# Altium PCB PA_8CH_CTRL.PcbDoc (part 9 of 11) (continued)
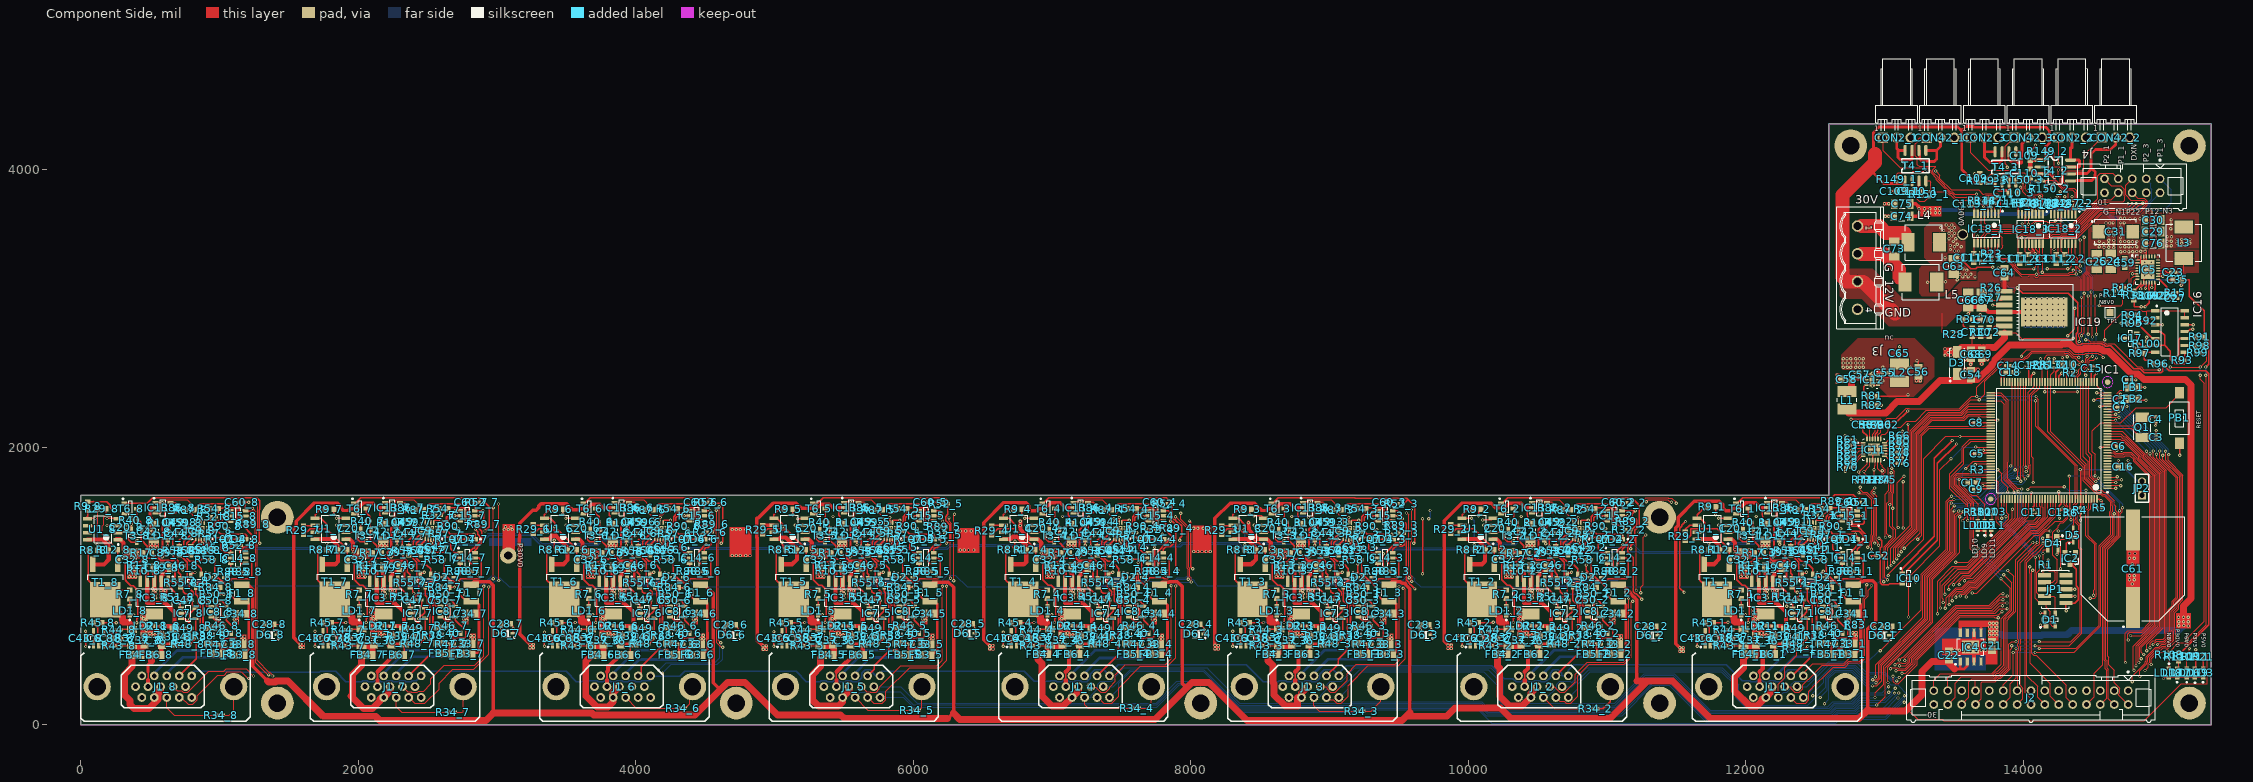
[diagram p0: Component Side view]
## Nets (pads, with @x,y where several pads share a name; then routed paths per layer and width w, separated by ;. In a path a pad name is that pad's centre, name@x,y a point inside that pad or via, vN(x,y) a via of type N, cw(c..) or ccw(c..) an arc to the next point about the centre after c; other vN are vias at no path point) (continued)
  Component Side w20: 12958,2538 C55.2@12983.28,2538
  Signal Layer 1 w10: v1(35,675) 35,1343 89,1397 356.65,1397 493.65,1534 944,1534 945,1535 ; v1(696,875) 696,841 775,762 v1(786,762) 795,771 859,771 ; v1(946.65,1332) 2412,1332 2469,1275 2543.26,1275 2600.19,1331.93 v1(2600.19,1333.14) 3382.88,1333.14 3402.55,1352.81 3421.45,1352.81 3441.12,1333.14 4034.86,1333.14 4088,1280 4200.59,1280 v1(4253.73,1333.14) 4260.43,1326.45 4499.39,1326.45 4506.08,1333.14 5039.88,1333.14 5046.55,1339.81 5598.76,1339.81 5627.24,1311.33 5739.44,1311.33 5774.58,1276.19 5867.19,1276.19 5916,1325 v1(5916,1333) ; v1(1210.63,1604.33) 1193.67,1604.33 1166,1632 1032.74,1632 1030.81,1630.07 1030.81,1607.55 1017.45,1594.19 991.19,1594.19 945,1548 945,1535 ; v1(1688.54,675.46) 1688.54,699.54 ; v1(2349.54,876.14) 2350,875.69 2350,790 ; v1(3342.09,667.91) 3342.09,714.24 3341,715.33 ; v1(4003.09,876.14) 4003.09,811.91 4043,772 ; v1(4087,768) 4047,768 4043,772 ; v1@4087,772 4298,772 4355.67,714.33 4427.54,714.33 4430.2,717 4960,717 4979.37,697.63 4995.63,697.63 ; v1(4250.09,1474.14) 4290.83,1474.14 4302.64,1462.33 4424.33,1462.33 4505.66,1543.66 v1(4534.66,1543.66) ; v1(4995.63,671.37) 4995.63,697.63 ; v1(5656.63,876.14) 5656.63,798.37 5694,761 v1(5744,761) ; v1(6649.17,668.83) 6649.17,730 ; v1(7310.17,876.14) 7310.17,789.83 7335,765 ; v1(7397,761) 7339,761 7335,765 ; v1@7397,765 7630,765 7665,730 7700.06,730 7715.72,714.33 7734.62,714.33 7750.29,730 8291.43,730 8302.72,718.72 ; v1(7557.17,1474.14) 7597.91,1474.14 7615.36,1456.69 7642.55,1456.69 7658.81,1472.95 7707.53,1472.95 7723.79,1456.69 v2(7736.22,1456.69) v2@7854.33,1456.69 ; v2(7854.33,1466.54) 8006.54,1466.54 8010,1470 v1(7990,1470) ; v1(8302.72,675.72) 8302.72,718.72 ; v1(8963.72,876.14) 8963.72,804.28 ; v1(9048,767) 9001,767 8963.72,804.28 ; v1@9048,768 v1(9252,768) 9289,768 9419,898 9921,898 ; v1(9210.72,1474.14) 9211.76,1475.19 9311.02,1475.19 ; v1(9523,1486) 9669,1486 v1(9670,1485) ; v1(9925.72,642.72) 9925.72,893.28 9921,898 ; v1(10617.26,876.14) 10617.26,797.74 10657,758 ; v1(11555,955) 11655,855 ; v1(11565,1465) 11640,1465 11645,1460 ; v1(11615.28,642.72) 11615.28,721.72 ; v1(12295,855) 12295,800 12333,762 v1@12395.86,762 ; v1(12397,762) v1@12395.86,762 ; 12549.21,1564.96 12696.85,1564.96 ; v1(12609,766) 12399.86,766 v1@12395.86,762 ; 12618.11,1456.69 12677.17,1456.69 12706.69,1486.22 ; v1(12758,2203) 13107,2203 v1(13166,2262) 13169.29,2258.71 v2(13169.29,2165.35) ; v1(12765,1635) 12770,1635 v1@12771.54,1633.46 ; v1(12987,2577) 12988,2576 v1(12988,2480) ; 859,771 1033,771 1059,797 1591.09,797 1688.54,699.54 ; 859,771 859,973.74 838.19,994.55 838.19,1034.19 875,1071 875,1225 945,1295 945,1535 ; 1688.54,699.54 1703,714 2086.14,714 2087.09,714.95 2195.95,714.95 2247,766 2664,766 2715.67,714.33 3020.57,714.33 3024.06,717.81 3042.95,717.81 3046.43,714.33 3103.25,714.33 3106.73,717.81 3125.63,717.81 3129.11,714.33 3340,714.33 3341,715.33 ; 3341,715.33 3572.54,715.33 3574.2,717 3699.97,717 3701.64,715.33 3821.33,715.33 3878,772 4043,772 ; 4995.63,697.63 5014,716 5206.51,716 5207.18,715.33 5226.08,715.33 5226.75,716 5354.51,716 5355.18,715.33 5494.33,715.33 5538,759 5978,759 6007,730 6046.51,730 6062.18,714.33 6081.08,714.33 6096.75,730 6649.17,730 ; 6649.17,730 6846.06,730 6860.72,715.33 6879.62,715.33 6894.29,730 6994.06,730 7008.72,715.33 7027.62,715.33 7036.62,724.33 7063.62,724.33 7069.65,730.35 7073.67,726.33 7135.33,726.33 7174,765 7335,765 ; 8302.72,718.72 8455,871 8897,871 8963.72,804.28 ; 9921,898 10398,898 10538,758 10657,758 ; 10657,758 v1(10705,758) 10956,758 11007,809 11528,809 11615.28,721.72 ; 11615.28,721.72 11615.28,735 11701.43,735 11711.43,725 11854.74,725 11862.55,717.19 11881.45,717.19 11889.26,725 11999.06,725 12008.72,715.33 12027.62,715.33 12037.29,725 12044.06,725 12044.72,724.33 12358.19,724.33 v1@12395.86,762
  Solder Side w10: v1@2349.54,874.14 v1(2349.54,876.14) ; v1(2596.54,1474.14) 2596.54,1336.79 v1(2600.19,1333.14) ; v1(4250.09,1474.14) 4250.09,1336.79 v1(4253.73,1333.14) ; v1@5656.63,874.14 v1(5656.63,876.14) ; 5903.63,1336.79 v1(5903.63,1474.14) ; v1(9210.72,1474.14) 9210.72,1336.79 v1(9214.36,1333.14) ; v1(10864.26,1474.14) 10868,1470.4 v1(10868,1337) ; v1(12295,855) v1@12295,858.97 ; v1(12557.17,1474.14) 12557.17,1336.79 v1(12560.82,1333.14)
  other v1: 10923,762 6178,1597 14655,2290 13169,2379 13186,2577 12703,2578 12730,2578 12756,2578 12793,2578 12820,2578 12846,2578 12703,2608 12730,2608 12756,2608 12793,2608 12820,2608 12846,2608 12703,2639 12729,2639 12756,2639 12793,2639 12819,2639 12846,2639
P5V0: C22.2 F1_1.1 F1_2.1 F1_3.1 F1_4.1 F1_5.1 F1_6.1 F1_7.1 F1_8.1 IC4.1 IC4.2 R21.1 | length 23922.9
  Component Side w6: 13151,99 13178.56,99 13238.19,39.37 13415.35,39.37 13425.2,29.53 14872.05,29.53 15137.8,295.28 15324.8,295.28 15324.8,511.81 15323.62,510.63 R21.1@15295.28,510.63 ; 13595,425.71 IC4.2@13595,456.67
  Component Side w20: 13503.94,403.54 13543.31,403.54 ; IC4.1@13545,456.67 13545,405.24 13543.31,403.54 ; 13595,425.71 13572.83,403.54 13543.31,403.54
  Component Side w25: F1_8.1@1160,1009.06 1207.94,1009.06 1239.5,977.5 1239.5,422.65 1347.15,315 ; F1_7.1@2813.54,1010.2 2833.66,1030.31 2947.56,1030.31 2971.31,1006.56 2971.31,86 ; F1_6.1@4467.09,1010.2 4494.8,1010.2 4557,948 4557,304 4608.53,252.47 ; F1_5.1@6120.63,1010.2 6139.74,1029.31 6252.82,1029.31 6291,991.13 6291,88 6289,86 6248,45 ; F1_4.1@7774.17,1010.2 7792.98,1029 7842.13,1029 7845.44,1032.31 7903.69,1032.31 7940,996 7940,297 7969.76,267.24 ; F1_3.1@9427.72,1010.2 9447.83,1030.31 9511.2,1030.31 9515.69,1025.82 9522.2,1019.31 9544.56,1019.31 9545.69,1018.18 9545.69,1014.82 9579,981.51 9579,90 ; F1_2.1@11081.26,1010.2 11109.44,1010.2 11165.69,953.95 11165.69,948.82 11192.82,921.69 11196.18,921.69 11215.31,902.56 11215.31,877.44 11215,877.13 11215,317 ; F1_1.1@12810,1011 12829.33,1030.33 12840.52,1030.33 12849.5,1039.31 12913.56,1039.31 12936.31,1016.56 12936.31,743.08 12923.54,730.31 12917.44,730.31 12880.31,693.18 12880.31,108.69 12880.31,91.31
  Component Side w50: 1347.15,315 1352.96,309.19 1402.73,309.19 1408.54,315 1495,315 1747.89,62.11 2125.67,62.11 2154.81,32.97 2921.97,32.97 2971.31,82.31 ; 2971.31,86 3683.23,86 3697.28,71.95 4428.01,71.95 4608.53,252.47 4662.65,306.59 ; 4664.41,306.59 4786.17,306.59 5020.81,71.95 5475.95,71.95 5502.9,45 6248,45 ; 6289,86 6335,40 7742.51,40 7969.76,267.24 8009.1,306.59 8132.63,306.59 8406.25,32.97 9521.97,32.97 9551,62 ; 9579,90 9551,62 ; 11215,317 11292,317 ; 13503.94,403.54 13450.81,456.67 13341.67,456.67 13269,384 13269,217 13151,99 12890,99 12880.31,108.69 12879.81,109.19 12815.62,45 11745,45 11473,317 11292,317 ; 9551,62 9844,62 9905.14,123.14 10230.73,123.14 10308.88,45 11020,45 11292,317
P5V0MP_1: C34_1.2 F1_1.2 FB3_1.1 R58_1.1 | length 848.3
  Component Side w10: R58_1.1@12578.68,1190.14 12580.81,1188.01 12580.81,1097.55 12580.74,1097.48 12593.85,1084.37 12593.85,1077.88 12633.22,1038.5 12639.76,1038.5 12688.17,990.09 12688.17,941.14 F1_1.2@12738.37,890.94
  Component Side w20: F1_1.2@12738.37,890.94 12806.17,890.94 12826,871.12 12826,550 12786,510 FB3_1.1@12780.43,510
P5V0MP_2: C34_2.2 F1_2.2 FB3_2.1 R58_2.1 | length 813.7
  Component Side w10: R58_2.1@10885.76,1190.14 10885.76,1099.55 10900.94,1084.37 10900.94,1077.88 10940.31,1038.5 10946.76,1038.5 10995.26,990 10995.26,941.14 F1_2.2@11045.46,890.94
  Component Side w20: F1_2.2@11045.46,890.94 11113.26,890.94 11136,868.2 11136,550.5 FB3_2.1@11117,531.5
P5V0MP_3: C34_3.2 F1_3.2 FB3_3.1 R58_3.1 | length 832.6
  Component Side w10: R58_3.1@9232.22,1190.14 9232.22,1099.55 9247.39,1084.37 9247.39,1077.88 9286.77,1038.5 9288.76,1038.5 9341.72,985.54 9341.72,941.14 F1_3.2@9391.91,890.94
  Component Side w20: F1_3.2@9391.91,890.94 9459.72,890.94 9481,869.66 9481,530.57 FB3_3.1@9460.43,510
P5V0MP_4: C34_4.2 F1_4.2 FB3_4.1 R58_4.1 | length 927.7
  Component Side w10: R58_4.1@7578.68,1190.14 7578.68,1186.68 7584.81,1192.81 7631.45,1192.81 7644.81,1179.45 7644.81,1099.78 7622.78,1077.75 7622.78,1048.95 7688.17,983.55 7688.17,941.14 F1_4.2@7738.37,890.94
  Component Side w20: F1_4.2@7738.37,890.94 7806.17,890.94 7833,864.12 7833,515 7828,510 FB3_4.1@7785.43,510
P5V0MP_5: C34_5.2 F1_5.2 FB3_5.1 R58_5.1 | length 856.5
  Component Side w10: R58_5.1@5925.13,1190.14 5925.13,1087.39 5974.02,1038.5 5985.76,1038.5 6034.63,989.63 6034.63,941.14 F1_5.2@6084.83,890.94
  Component Side w20: F1_5.2@6084.83,890.94 6152.63,890.94 6173,870.57 6173,540 6138,505 FB3_5.1@6130.43,505
P5V0MP_6: C34_6.2 F1_6.2 FB3_6.1 R58_6.1 | length 848.1
  Component Side w10: R58_6.1@4271.59,1190.14 4271.59,1087.39 4320.48,1038.5 4331.76,1038.5 4381.09,989.17 4381.09,941.14 F1_6.2@4431.28,890.94
  Component Side w20: F1_6.2@4431.28,890.94 4499.09,890.94 4515,875.03 4515,666.63 4516,665.63 4516,633.33 4516.81,632.52 4516.81,609.48 4516.16,608.83 4516.16,544.83 4515,543.67 4515,539.57 FB3_6.1@4480.43,505
P5V0MP_7: C34_7.2 F1_7.2 FB3_7.1 R58_7.1 | length 877.5
  Component Side w10: R58_7.1@2618.05,1190.14 2618.05,1087.39 2666.94,1038.5 2679.76,1038.5 2727.54,990.72 2727.54,941.14 F1_7.2@2777.74,890.94
  Component Side w20: F1_7.2@2777.74,890.94 2845.54,890.94 2870,866.49 2870,520 2835.43,520 FB3_7.1@2820.43,505
P5V0MP_8: C34_8.2 F1_8.2 FB3_8.1 R58_8.1 | length 857.2
  Component Side w10: R58_8.1@964.5,1189 964.5,1086.25 1013.39,1037.36 1015.75,1037.36 1054.88,998.23 1054.88,969.29 1074,950.17 1074,940 F1_8.2@1124.2,889.8
  Component Side w20: F1_8.2@1124.2,889.8 1192,889.8 1211,870.8 1211,545.62 1182,516.62 FB3_8.1@1182,487
P6V0_CH_1: C36_1.2 FB6_1.2 R39_1.1 R48_1.2 | length 247.1
  Component Side w10: R39_1.1@12289.76,579.96 12292.72,582.91 R48_1.2@12365.75,582.91
  Component Side w12: C36_1.2@12201.17,571.71 12210.43,562.45 FB6_1.2@12210.43,510
  Component Side w30: C36_1.2@12185.43,579.96 R39_1.1@12289.76,579.96
P6V0_CH_2: C36_2.2 FB6_2.2 R39_2.1 R48_2.2 | length 252.5
  Component Side w10: R39_2.1@10596.85,579.96 10599.8,582.91 R48_2.2@10672.83,582.91
  Component Side w12: C36_2.2@10508.26,571.71 10510.43,569.54 FB6_2.2@10510.43,510
  Component Side w30: C36_2.2@10486.61,574.06 10492.52,579.96 R39_2.1@10596.85,579.96
P6V0_CH_3: C36_3.2 FB6_3.2 R39_3.1 R48_3.2 | length 258.3
  Component Side w10: R39_3.1@8943.31,579.96 8946.26,582.91 R48_3.2@9019.29,582.91
  Component Side w12: C36_3.2@8846.46,579.96 8838.98,579.96 8855.43,563.5 FB6_3.2@8855.43,510
  Component Side w30: C36_3.2@8846.46,579.96 R39_3.1@8943.31,579.96
P6V0_CH_4: C36_4.2 FB6_4.2 R39_4.1 R48_4.2 | length 254
  Component Side w10: R39_4.1@7289.76,579.96 7292.72,582.91 R48_4.2@7365.75,582.91
  Component Side w12: FB6_4.2@7195.43,510 7195.43,565.97 C36_4.2@7201.17,571.71
  Component Side w30: C36_4.2@7179.53,574.06 7185.43,579.96 R39_4.1@7289.76,579.96
P6V0_CH_5: C36_5.2 FB6_5.2 R39_5.1 R48_5.2 | length 241.8
  Component Side w10: R39_5.1@5636.22,579.96 5639.17,582.91 R48_5.2@5712.2,582.91
  Component Side w30: C36_5.2@5550.43,579.96 R39_5.1@5636.22,579.96 5636.22,514.21 FB6_5.2@5645.43,505
P6V0_CH_6: C36_6.2 FB6_6.2 R39_6.1 R48_6.2 | length 274.1
  Component Side w10: R39_6.1@3982.68,579.96 3985.63,582.91 R48_6.2@4058.66,582.91
  Component Side w12: FB6_6.2@3960.43,505 3960.43,557.72 R39_6.1@3982.68,579.96
  Component Side w30: C36_6.2@3872.44,574.06 3878.35,579.96 R39_6.1@3982.68,579.96
P6V0_CH_7: C36_7.2 FB6_7.2 R39_7.1 R48_7.2 | length 265.4
  Component Side w10: R39_7.1@2329.13,579.96 2332.09,582.91 R48_7.2@2405.12,582.91
  Component Side w12: R39_7.1@2329.13,579.96 2330.43,578.66 FB6_7.2@2330.43,505
  Component Side w30: C36_7.2@2218.9,574.06 2224.8,579.96 R39_7.1@2329.13,579.96
P6V0_CH_8: C36_8.2 FB6_8.2 R39_8.1 R48_8.2 | length 258.2
  Component Side w10: R39_8.1@675.59,578.82 678.54,581.77 R48_8.2@751.57,581.77
  Component Side w30: C36_8.2@565.35,572.91 571.26,578.82 R39_8.1@675.59,578.82 ; FB6_8.2@580.43,505 580.43,564 C36_8.2@587,570.57
P6V5: C19_1.2 C19_2.2 C19_3.2 C19_4.2 C19_5.2 C19_6.2 C19_7.2 C19_8.2 C68.2 C69.2 C71.2 C72.2 D3.2 IC3_1.2 IC3_2.2 IC3_3.2 IC3_4.2 IC3_5.2 IC3_6.2 IC3_7.2 IC3_8.2 IC19.7 R30.2 R98.2 R109.1 | length 5643
  Component Side w6: C68.2@13632.87,2721.46 C71.2@13632.87,2798.03 13633.86,2797.05 R30.2@13693.9,2797.05 13750.98,2797.05 C72.2@13752.95,2799.02 ; IC19.7@13863.19,2825.2 13946.46,2825.2 13996.07,2775.59 14005.91,2785.43 14311.13,2785.43 14312.25,2784.31 14359.09,2784.31 v2(14360.21,2785.43) ; v2(14448.79,2775.59) 14468.5,2775.59 14481.8,2762.29 14570.48,2762.29 14577.99,2754.78 14588.42,2754.78 14600.43,2742.77 14602.52,2742.77 14607.43,2747.68 14653.89,2747.68 14822.37,2579.2 14848.31,2579.2 14868.46,2559.06 v2(14980.31,2559.06) ; v2(15059.02,2578.73) v2(15275.59,2578.73) 15320.65,2623.8 15320.65,2714.07 R98.2@15301.91,2732.8 ; v2(15177.17,610.24) 15177.17,620.08 15305.12,748.03 15305.12,2460.63 15275.59,2490.16 v2(15275.59,2519.69) ; R109.1@15178.35,513.84 15196.85,532.34 v2(15196.85,551.18)
  Component Side w30: IC3_8.2@579.92,1034.53 579.92,1068.78 611.14,1100 615.4,1100 644.09,1128.69 C19_8.2@644.09,1132.95 ; IC3_7.2@2233.46,1035.67 2233.46,1069.92 2264.69,1101.14 2268.95,1101.14 2297.64,1129.83 C19_7.2@2297.64,1134.09 ; IC3_6.2@3887.01,1035.67 3887.01,1069.92 3918.23,1101.14 3922.49,1101.14 3951.18,1129.83 C19_6.2@3951.18,1134.09 ; IC3_5.2@5540.55,1035.67 5540.55,1069.92 5571.77,1101.14 5576.03,1101.14 5604.72,1129.83 C19_5.2@5604.72,1134.09 ; IC3_4.2@7194.09,1035.67 7194.09,1069.92 7225.31,1101.14 7229.57,1101.14 7258.27,1129.83 C19_4.2@7258.27,1134.09 ; IC3_3.2@8847.64,1035.67 8847.64,1069.92 8878.86,1101.14 8883.12,1101.14 8911.81,1129.83 C19_3.2@8911.81,1134.09 ; IC3_2.2@10501.18,1035.67 10501.18,1069.92 10532.4,1101.14 10536.66,1101.14 10565.35,1129.83 C19_2.2@10565.35,1134.09 ; IC3_1.2@12194.09,1035.67 12194.09,1069.92 12225.31,1101.14 12229.57,1101.14 12258.27,1129.83 C19_1.2@12258.27,1134.09
  Component Side w50: v2(13458.66,2684.06) D3.2@13520.67,2684.06 ; D3.2@13538.39,2684.06 D3.2@13520.67,2684.06 ; C69.2@13714.07,2719.98 C69.2@13700.79,2706.69 13688.98,2718.5 13555.12,2718.5 D3.2@13520.67,2684.06 ; 13733.76,2719.98 13794.78,2719.98 13863.19,2788.39 IC19.7@13863.19,2825.2
  Signal Layer 1 w6: v2(15177.17,610.24) 15177.17,570.87 v2(15196.85,551.18)
  Solder Side w6: v2(14360.21,2785.43) 14400.71,2825.93 14427.91,2825.93 14448.79,2805.05 v2(14448.79,2775.59) ; v2(14980.31,2559.06) 15059.06,2559.06 ; 15059.02,2559.09 v2(15059.02,2578.73) ; v2(15275.59,2519.69) v2(15275.59,2578.73)
  other v1: 608,917 579,918 2261.54,918.14 3915.09,918.14 5568.63,918.14 7222.17,918.14 8875.72,918.14 10529.26,918.14 12222.17,918.14 2232.54,919.14 3886.09,919.14 5539.63,919.14 7193.17,919.14 8846.72,919.14 10500.26,919.14 12193.17,919.14 578,942 608,942 2231.54,943.14 2261.54,943.14 3885.09,943.14 3915.09,943.14 5538.63,943.14 5568.63,943.14 7192.17,943.14 7222.17,943.14 8845.72,943.14 8875.72,943.14 10499.26,943.14 10529.26,943.14 12192.17,943.14 12222.17,943.14 578,966 608,966 2231.54,967.14 2261.54,967.14 3885.09,967.14 3915.09,967.14 5538.63,967.14 5568.63,967.14 7192.17,967.14 7222.17,967.14 8845.72,967.14 8875.72,967.14 10499.26,967.14 10529.26,967.14 12192.17,967.14 12222.17,967.14
  other v2: 13436.02,2664.37 13478.35,2665.35 13479.33,2707.68 13435.04,2708.66
P12V0: C24.2 C25.2 C59.1 C64.2 C66.2 C67.2 C109_1.2 C109_2.2 C109_3.2 C110_1.2 C110_2.2 C110_3.2 IC5.3 IC5.4 IC19.1 J3.3 R26.2 R28.2 R149_1.2 R149_2.2 R149_3.2 R150_1.2 R150_2.2 R150_3.2 T4_1.1 T4_1.3 T4_2.1 T4_2.3 T4_3.1 T4_3.3 | length 5611.8
  Component Side w6: T4_1.1@13144.69,3917.32 T4_1.1@13147.64,3920.28 ; C110_1.2@13207.68,3847.44 13205.71,3845.47 13205.71,3819.29 13250.39,3774.61 13290.35,3774.61 13321.85,3806.1 R150_1.2@13321.85,3806.3 ; 13906.5,3955.71 13915.35,3964.57 13975.39,3964.57 13992.32,3947.64 R150_3.2@13994.09,3947.64
  Component Side w9: 13416.34,2963.58 13416.34,2828.66 13447.56,2797.44 R28.2@13498.03,2797.44
  Component Side w20: 12919.29,4042.32 12919.29,3976.38 12994.09,3901.57 13128.94,3901.57 13144.69,3917.32 C109_1.2@13144.69,3846.46 13145.67,3847.44 C110_1.2@13207.68,3847.44 13247.64,3887.4 T4_1.3@13247.64,3920.28 ; 12919.29,4113.19 12919.29,4269.69 12957.68,4308.07 13530,4308.07 13555.97,4282.1 ; R149_3.2@13737.2,3902.76 R149_3.2@13741.93,3907.48 ; 13906.5,3955.71 13896.26,3945.47 T4_3.3@13896.26,3910.43 13898.62,3908.07 C110_3.2@13898.62,3833.66 13881.89,3850.39 13822.83,3850.39 13796.26,3876.97 T4_3.1@13796.26,3910.43 13793.31,3907.48 R149_3.2@13741.93,3907.48 ; T4_2.1@14135,4073.82 14160.43,4073.82 14160.43,4166.34 14188.85,4194.75 14188.85,4280.64 14162.4,4307.09 13645.67,4307.09 13640.02,4312.74 13586.61,4312.74 13555.97,4282.1 ; R150_2.2@14201.57,3876.97 14224.61,3900 v2(14225,3900) ; 13555.97,4282.1 13555.97,4003.08 13651.57,3907.48 R149_3.2@13741.93,3907.48
  Component Side w30: IC19.1@13863.19,3125.2 13864.17,3126.18 C64.2@13864.17,3222.44 ; T4_2.1@14120,4070 14051.5,4070 C109_2.2@14050,4068.5 C110_2.2@14050,4006.5 14055.09,4006.5 14090.69,3970.9 14090.69,3970 T4_2.3@14120,3970 14200.28,3970 v2(14223.43,3946.85)
  Component Side w100: 12930.02,4113.19 12930.02,4053.05 12919.29,4042.32 12695.87,3818.9 12695.87,3228.35 12730.21,3194 12844.39,3194 13074.8,2963.58
  Solder Side w20: v2(14223.43,3946.85) 14225,3945.28 v2(14225,3900)
P12V_1_1: CON2_1.2 T4_1.7 T4_1.8 | length 368.8
  Component Side w20: CON2_1.2@13087.61,4231.89 13087.61,4154.52 13101.85,4140.28 ; T4_1.8@13147.64,4140.28 13101.85,4140.28 ; T4_1.7@13197.64,4140.28 13196.85,4139.49 13196.85,4075.79 13194.88,4073.82 13112.2,4073.82 13096.46,4089.57 13096.46,4134.88 13101.85,4140.28
P12V_1_2: CON2_2.2 T4_2.7 T4_2.8 | length 387.8
  Component Side w20: T4_2.7@14310,4020 T4_2.7@14340,4020 14400,4020 14405,4025 14405,4065 14400,4070 T4_2.8@14340,4070 14340,4148.56 ; 14351.39,4159.95 14340,4148.56 ; CON2_2.2@14351.39,4232.88 14351.39,4170 14340,4158.61 14340,4148.56
P12V_1_3: CON2_3.2 T4_3.7 T4_3.8 | length 431.8
  Component Side w20: CON2_3.2@13720.48,4232.88 13720.48,4135.83 ; T4_3.8@13796.26,4130.43 13725.88,4130.43 13720.48,4135.83 ; T4_3.7@13846.26,4130.43 13846.26,4066.73 13831.69,4052.17 13758.86,4052.17 13720.48,4090.54 13720.48,4135.83
P12V_2_1: CON42_1.2 T4_1.5 T4_1.6 | length 443.5
  Component Side w20: T4_1.6@13247.64,4140.28 13254.24,4133.68 13254.24,4077.46 13267.72,4063.98 13322.83,4063.98 13325.79,4061.02 13358.27,4061.02 13375.51,4078.27 13375.51,4140.28 ; T4_1.5@13297.64,4140.28 13375.51,4140.28 ; CON42_1.2@13402.57,4231.89 13402.57,4167.34 13375.51,4140.28
P12V_2_2: CON42_2.2 T4_2.5 T4_2.6 | length 708.5
  Component Side w20: 14380.43,3923.82 14492.72,3923.82 14517.22,3948.33 14517.22,3964.09 14518.7,3965.57 14518.7,3984.25 14499.02,4003.94 14488.19,4003.94 ; 14380.43,3973.82 14458.07,3973.82 14488.19,4003.94 ; CON42_2.2@14666.35,4232.88 14666.35,4184.07 14627.95,4145.67 14519.69,4145.67 14488.19,4114.17 14488.19,4003.94
P12V_2_3: CON42_3.2 T4_3.5 T4_3.6 | length 405.3
  Component Side w20: T4_3.6@13896.26,4130.43 13896.26,4075.2 13922.24,4049.21 13987.2,4049.21 13987.2,4127.2 13990.43,4130.43 ; T4_3.5@13946.26,4130.43 13990.43,4130.43 ; 13990.43,4129.92 13990.43,4130.43 ; CON42_3.2@14035.45,4232.88 13990.43,4187.87 13990.43,4130.43
P29V0_CH_1: C37_1.2 FB4_1.2 R37_1.1 R43_1.2 | length 243.5
  Component Side w10: R43_1.2@11907.68,570 11908.62,570.94 R37_1.1@11984.17,570.94
  Component Side w50: R37_1.1@11984.17,570.94 12070.55,570.94 C37_1.2@12074.17,574.57 12075.43,573.31 FB4_1.2@12075.43,500
P29V0_CH_2: C37_2.2 FB4_2.2 R37_2.1 R43_2.2 | length 233.8
  Component Side w10: R43_2.2@10214.76,570 10215.71,570.94 R37_2.1@10291.26,570.94
  Component Side w50: FB4_2.2@10280.43,510 10280.43,560.12 R37_2.1@10291.26,570.94 10377.64,570.94 C37_2.2@10381.26,574.57
P29V0_CH_3: C37_3.2 FB4_3.2 R37_3.1 R43_3.2 | length 231.2
  Component Side w10: R43_3.2@8561.22,570 8562.17,570.94 8630,570.94 R37_3.1@8637.72,570.94
  Component Side w50: FB4_3.2@8625.43,510 8630,514.57 R37_3.1@8630,570.94 ; R37_3.1@8637.72,570.94 8724.09,570.94 C37_3.2@8727.72,574.57
P29V0_CH_4: C37_4.2 FB4_4.2 R37_4.1 R43_4.2 | length 235
  Component Side w10: R43_4.2@6907.68,570 6908.62,570.94 R37_4.1@6984.17,570.94
  Component Side w50: FB4_4.2@6970.43,510 6970.43,557.2 R37_4.1@6984.17,570.94 7070.55,570.94 C37_4.2@7074.17,574.57
P29V0_CH_5: C37_5.2 FB4_5.2 R37_5.1 R43_5.2 | length 237.8
  Component Side w10: R43_5.2@5254.13,570 5255.08,570.94 R37_5.1@5330.63,570.94
  Component Side w50: R37_5.1@5330.63,570.94 C37_5.2@5417.01,570.94 ; C37_5.2@5420.63,574.57 C37_5.2@5417.01,570.94 ; FB4_5.2@5425.43,505 5425.43,562.52 C37_5.2@5417.01,570.94
P29V0_CH_6: C37_6.2 FB4_6.2 R37_6.1 R43_6.2 | length 235.1
  Component Side w10: R43_6.2@3600.59,570 3601.54,570.94 R37_6.1@3677.09,570.94
  Component Side w50: R37_6.1@3677.09,570.94 C37_6.2@3763.46,570.94 ; FB4_6.2@3765.43,505 3765.43,568.98 C37_6.2@3763.46,570.94 ; C37_6.2@3767.09,574.57 C37_6.2@3763.46,570.94
P29V0_CH_7: C37_7.2 FB4_7.2 R37_7.1 R43_7.2 | length 238.3
  Component Side w10: R43_7.2@1947.05,570 1947.99,570.94 R37_7.1@2023.54,570.94
  Component Side w50: R37_7.1@2023.54,570.94 C37_7.2@2109.92,570.94 ; FB4_7.2@2100.43,505 2100.43,561.46 C37_7.2@2109.92,570.94 ; C37_7.2@2113.54,574.57 C37_7.2@2109.92,570.94
P29V0_CH_8: C37_8.2 FB4_8.2 R37_8.1 R43_8.2 | length 241.9
  Component Side w10: R43_8.2@293.5,568.86 294.45,569.8 R37_8.1@370,569.8
  Component Side w50: R37_8.1@370,569.8 C37_8.2@456.38,569.8 ; FB4_8.2@435.43,505 435.43,548.86 C37_8.2@456.38,569.8 ; C37_8.2@460,573.43 C37_8.2@456.38,569.8